# Altium PCB Dahlia Carrier Board.PcbDoc (part 4 of 10) (continued)
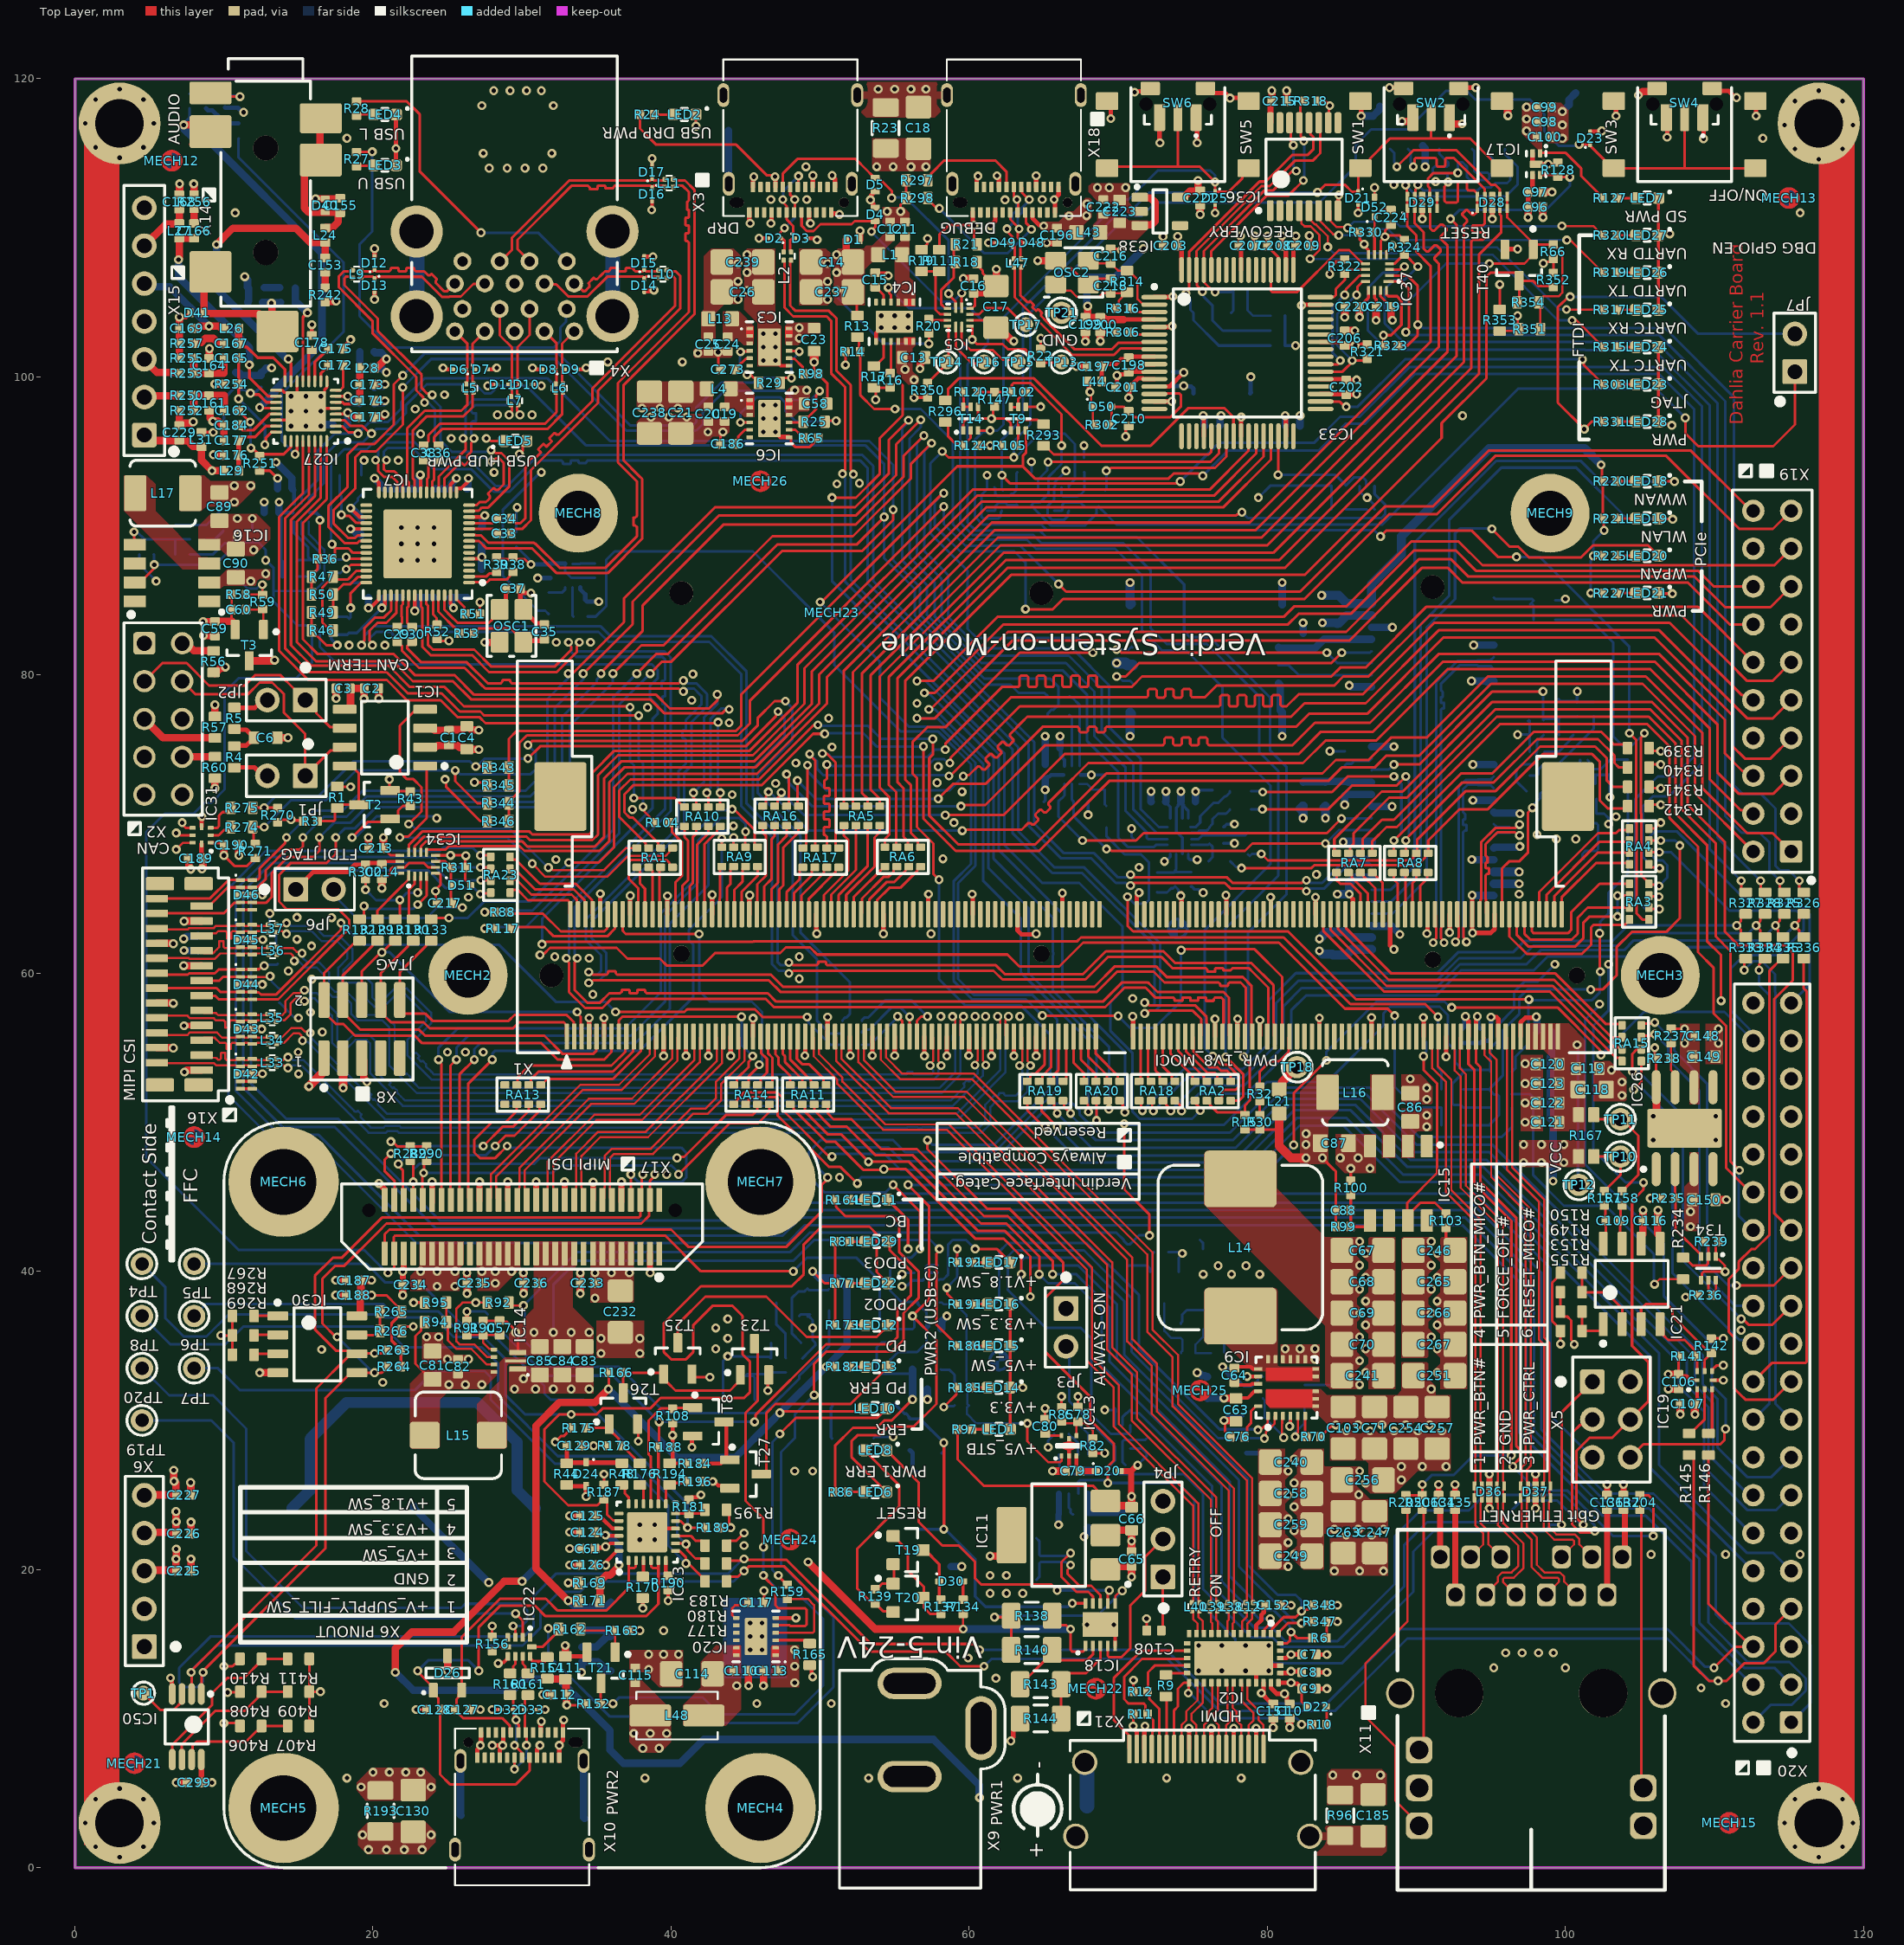
[diagram p0: Top Layer view]
## Nets (pads, with @x,y where several pads share a name; then routed paths per layer and width w, separated by ;. In a path a pad name is that pad's centre, name@x,y a point inside that pad or via, vN(x,y) a via of type N, cw(c..) or ccw(c..) an arc to the next point about the centre after c; other vN are vias at no path point) (continued)
AAP_MICIN_L: C158.2 L25.1 R249.1 | length 2.8
  Bottom Layer w0.175: L25.1@8.75,118.021 L25.1@8.79,118.021 ; C158.2@10.98,117 C158.2@11,116.98
  Bottom Layer w0.3: L25.1@8.79,118.021 8.93,117.881 9.219,117.881 9.745,117.355 9.745,117.135 R249.1@9.88,117 C158.2@10.98,117
ADC_1: RA23.5 X20.1 | length 165.6
  Top Layer w0.175: v1(27.2,65.3) 27.25,65.35 27.85,65.35 RA23.5@27.9,65.4
  Bottom Layer w0.175: v1(27.2,65.3) 26.8,65.7 24.9,65.7 23.7,66.9 13.3,66.9 11.806,65.406 11.806,52.594 14.173,50.227 17.673,50.227 24.5,43.4 47,43.4 48.2,44.6 93.7,44.6 98.4,39.9 98.4,29.372 102.687,25.086 105.914,25.086 110.1,20.9 110.1,17 110.728,16.372 114.994,16.372 116.44,14.927 116.44,11.03 X20.1@115.15,9.74
ADC_2: RA23.6 X20.2 | length 167.2
  Top Layer w0.175: v1(27.23,66.232) 27.245,66.216 27.884,66.216 RA23.6@27.9,66.2
  Bottom Layer w0.175: v1(27.23,66.232) 25.068,66.232 23.9,67.4 13.2,67.4 11.3,65.5 11.3,52.3 13.913,49.687 17.413,49.687 24.2,42.9 47.3,42.9 48.5,44.1 93.5,44.1 97.9,39.7 97.9,29.345 102.662,24.584 105.816,24.584 109.6,20.8 109.6,16.433 112.233,13.8 115.027,13.8 116.137,12.689 116.137,11.871 115.199,10.932 113.802,10.932 X20.2@112.61,9.74
ADC_3: RA23.7 X20.3 | length 162.2
  Top Layer w0.175: v1(27.2,67.1) 27.8,67.1 RA23.7@27.9,67
  Bottom Layer w0.175: v1(27.2,67.1) 24.827,67.1 24.127,67.8 13,67.8 10.8,65.6 10.8,52.1 13.756,49.144 16.356,49.144 23.1,42.4 47.5,42.4 48.7,43.6 93.3,43.6 97.385,39.515 97.385,29.315 102.6,24.1 105.6,24.1 109,20.7 109,16.4 112,13.4 114.03,13.4 X20.3@115.15,12.28
ADC_4: RA23.8 X20.4 | length 161
  Top Layer w0.175: v1(27.2,67.9) 27.219,67.919 27.781,67.919 RA23.8@27.9,67.8
  Bottom Layer w0.175: v1(27.2,67.9) 26.679,68.421 24.721,68.421 24.5,68.2 12.8,68.2 10.3,65.7 10.3,51.8 13.5,48.6 16.2,48.6 22.9,41.9 47.8,41.9 49,43.1 93.1,43.1 96.9,39.3 96.9,29.2 102.5,23.6 105.4,23.6 108.46,20.54 108.46,16.34 112.52,12.28 X20.4@112.61,12.28
CAM_1_CON_IC_DETECT: D46.2 D46.9 IC32.10 R285.2 X16.23 | length 107
  Top Layer w0.175: X16.23@8.5,64.5 9,64.5 10.25,65.75 D46.2@11.1,65.75 D46.9@11.9,65.75 11.938,65.787 12.287,65.787 12.8,66.3 12.8,66.9 14.2,68.3 15.1,68.3 15.3,68.5 v1(15.3,69.1) ; v1(34.107,80.088) 37.427,83.408 37.427,84.927 43.195,90.695 52.395,90.695 55.1,93.4 55.1,95.475 v1(56.75,97.125)
  Bottom Layer w0.175: v1(15.3,69.1) 16.7,70.5 18.225,70.5 19.6,71.875 30.575,71.875 32.2,73.5 32.2,77.8 34.107,79.707 v1(34.107,80.088) ; v1(56.75,97.125) 56.75,96.625 56,95.875 56,87.9 57.675,86.225 57.675,83.952 60.827,80.8 66.491,80.8 68.4,78.891 68.4,75.9 70.5,73.8 70.5,70.875 71.905,69.47 71.905,69.095 R285.2@72,69 IC32.10@73.3,69
CAM_1_CON_PWRCTRL: D46.1 D46.10 IC32.9 X16.24 | length 110.4
  Top Layer w0.175: X16.24@5.5,65 9.05,65 10.3,66.25 D46.1@11.1,66.25 D46.10@11.9,66.25 11.938,66.287 12.297,66.287 12.4,66.39 12.4,67.023 14.119,68.741 14.119,69.019 v1(14.2,69.1) ; v1(33.1,80.1) 33.392,80.1 36.844,83.552 36.844,85.144 42.95,91.25 52.35,91.25 54.6,93.5 54.6,95.759 v1(55.933,97.092)
  Bottom Layer w0.175: v1(14.2,69.1) 16,70.9 17.975,70.9 19.325,72.25 30.25,72.25 31.7,73.7 31.7,78.4 33.136,79.836 33.1,79.871 v1(33.1,80.1) ; v1(55.933,97.092) 55.933,96.977 55.5,96.544 55.5,87.7 57.175,86.025 57.175,84.025 60.9,80.3 66.3,80.3 67.9,78.7 67.9,75.6 70,73.5 70,69.109 70.657,68.453 72.383,68.453 72.531,68.6 IC32.9@73.3,68.6
CAM_1_CON_PWRDWN: D46.4 D46.7 IC32.11 X16.22 | length 108.2
  Top Layer w0.175: X16.22@5.5,64 5.523,64.023 7.659,64.023 7.669,64.012 9.987,64.012 10.694,64.719 11.069,64.719 D46.4@11.1,64.75 D46.7@11.9,64.75 11.938,64.712 12.812,64.712 13.2,65.1 13.2,66.7 14.3,67.8 16,67.8 16.4,68.2 v1(16.4,69.1) ; v1(35.3,80.1) 35.3,80.171 35.4,80.271 38.1,82.971 38.1,84.675 43.531,90.106 52.406,90.106 55.6,93.3 55.6,94.703 v1(56.961,96.064)
  Bottom Layer w0.175: v1(16.4,69.1) 17.4,70.1 18.5,70.1 19.875,71.475 30.775,71.475 32.7,73.4 32.7,77.2 35.024,79.524 35.024,79.709 35.3,79.985 v1(35.3,80.1) ; v1(56.961,96.064) 56.961,96.01 56.5,95.549 56.5,88.1 58.15,86.45 58.15,83.904 60.754,81.3 66.689,81.3 68.9,79.089 68.9,76.2 71,74.1 71,71 72.6,69.4 IC32.11@73.3,69.4
CAM_1_CON_RST: D44.5 D44.6 IC32.12 X16.11 | length 115.7
  Top Layer w0.175: X16.11@8.5,58.5 8.51,58.49 9.41,58.49 9.65,58.25 D44.5@11.1,58.25 D44.6@11.9,58.25 13.65,58.25 18.396,62.996 18.396,63.593 17.715,64.275 14.227,64.275 13.7,64.802 13.7,66.6 14.498,67.398 16.898,67.398 17.5,68 v1(17.5,69.1) ; v1(36.1,80.1) 38,82 39.5,82 46.805,89.305 52.205,89.305 56.1,93.2 56.1,94.175 v1(57.475,95.55)
  Bottom Layer w0.175: v1(17.5,69.1) 18.1,69.7 18.773,69.7 20.198,71.125 31.025,71.125 33.2,73.3 33.2,76.6 36.081,79.481 36.081,80.196 36.1,80.177 v1(36.1,80.1) ; v1(57.475,95.55) 57.475,95.51 57,95.035 57,88.3 58.6,86.7 58.6,83.881 60.681,81.8 66.9,81.8 69.4,79.3 69.4,76.5 71.5,74.4 71.5,71.025 72.725,69.8 IC32.12@73.3,69.8
CAM_1_IC_DETECT: IC32.3 R280.1 | length 4
  Bottom Layer w0.175: IC32.3@74.9,69 75.4,69 75.647,69.247 78.522,69.247 R280.1@78.7,69.425
CAM_1_PWRCTRL: IC32.4 R281.1 R284.1 | length 2.7
  Bottom Layer w0.175: IC32.4@74.9,68.6 76.02,68.6 R284.1@76.12,68.7 76.318,68.502 76.318,68.419 76.32,68.416 76.32,67.766 76.312,67.766 76.075,67.528 R281.1@76.075,67.5
CAM_1_PWRDWN: IC32.2 R279.1 R283.1 | length 3.5
  Bottom Layer w0.175: IC32.2@74.9,69.4 74.911,69.411 75.311,69.411 75.477,69.578 75.958,69.578 76.12,69.739 R283.1@76.12,69.8 76.318,69.998 76.318,70.087 76.32,70.09 76.32,70.32 76.7,70.7 77.237,70.7 77.475,70.938 R279.1@77.475,71
CAM_1_RST: IC32.1 R278.1 R282.1 | length 3.9
  Bottom Layer w0.175: IC32.1@74.85,69.8 74.862,69.813 75.213,69.813 75.5,70.1 75.5,70.52 76.4,71.42 76.72,71.42 77.162,71.863 77.237,71.863 77.475,72.1 R278.1@77.475,72.2
CAN_1_H: IC1.7 JP1.1 X2.4 | length 17.4
  Top Layer w0.175: X2.4@7.2,79.59 7.21,79.59 8.1,78.7 11.6,78.7 12.4,79.5 13.238,79.5 14.029,78.709 14.029,77.471 15.455,76.045 JP1.1@15.455,73.24 17.167,74.952 17.888,74.952 IC1.7@18.1,75.165
CAN_1_L: IC1.6 JP2.1 X2.3 | length 16.6
  Top Layer w0.175: X2.3@4.66,79.59 5.87,80.8 7.5,80.8 9,79.3 11.4,79.3 12.1,80 13.775,80 14.717,79.057 15.067,78.708 15.067,78.32 15.315,78.32 JP2.1@15.455,78.32 16.192,77.583 16.192,77.442 17.14,76.495 18.04,76.495 IC1.6@18.1,76.435
CAN_1_PWR_EN: R7.2 R8.2 R43.1 T2.1 | length 104.6
  Top Layer w0.175: v1(18.6,69.1) 19.637,70.138 20.638,70.138 20.643,70.143 20.843,70.143 20.945,70.245 21.045,70.245 T2.1@21.15,70.35 21.48,70.35 21.692,70.562 21.692,70.912 22,71.22 R43.1@22.5,71.22 ; v1(31.2,61.225) 31.281,61.306 31.481,61.306 31.875,61.7 36.35,61.7 37.075,60.975 39.25,60.975 39.725,60.5 42.1,60.5 42.95,61.35 47.325,61.35 47.7,61.725 49.325,61.725 49.8,61.25 62.566,61.25 63.366,60.45 66.05,60.45 67.65,62.05 80.777,62.05 85.206,57.621 88.079,57.621 v1(88.55,57.15)
  Layer 1 w0.175: v1@24.287,70.4 24.287,73.488 25.202,74.402 27.198,74.402 29.357,72.243 29.357,65.343 31.9,62.8 31.9,61.733 31.567,61.4 31.49,61.4 31.315,61.225 v1(31.2,61.225)
  Bottom Layer w0.175: v1(18.6,69.1) 18.681,69.181 18.9,69.181 20.233,70.514 24.045,70.514 24.16,70.4 v1(24.275,70.4) ; v1(88.55,57.15) 88.55,52.375 89.925,51 R7.2@91.675,51 R8.2@91.675,49.8
CAN_1_RX: IC1.4 RA1.5 | length 27.2
  Top Layer w0.15: v1(31.766,67.082) 31.888,67.082 32.057,66.913 35.513,66.913 37,68.4 RA1.5@37.7,68.4
  Top Layer w0.175: v1(22.4,70) 23.25,70.85 23.25,72.475 22.71,73.015 22.285,73.015 21.8,73.5 21.8,76.605 22.794,77.599 23.394,77.599 IC1.4@23.5,77.705
  Bottom Layer w0.15: v1(22.4,70) 22.487,70 22.5,70.013 22.813,69.7 29.148,69.7 v1(31.766,67.082)
CAN_1_TX: IC1.1 RA1.8 | length 26.2
  Top Layer w0.15: v1(30.686,67.349) 31.561,66.473 35.723,66.473 37.127,67.877 39.645,67.877 39.875,68.107 39.875,68.225 40.05,68.4 RA1.8@40.1,68.4
  Top Layer w0.175: v1(21.8,69.1) 21.862,69.163 22.362,69.163 23.6,70.4 23.6,73.795 IC1.1@23.5,73.895
  Bottom Layer w0.15: v1(21.8,69.1) 29,69.1 30.686,67.414 v1(30.686,67.349)
CAN_2_RX: RA1.7 X19.2 | length 99.8
  Top Layer w0.175: RA1.7@39.3,68.4 39.286,68.4 39.124,68.562 39.124,68.751 37.45,70.425 37.231,70.425 36.875,70.781 36.875,72 37.5,72.625 46.1,72.625 49.532,76.057 v1(50.306,76.057) ; v1(56.933,75.211) 56.933,70.367 59.1,68.2 64.7,68.2 69.4,72.9 84.1,72.9 85,73.8 87.2,73.8 88,74.6 90.2,74.6 95.014,79.414 105.186,79.414 108.7,75.9 108.7,72.07 X19.2@112.61,68.16
  Bottom Layer w0.175: v1(50.306,76.057) 50.349,76.1 52.9,76.1 53.789,75.211 v1(56.933,75.211)
CAN_2_TX: RA1.6 X19.1 | length 103.5
  Top Layer w0.175: RA1.6@38.5,68.4 38.45,68.4 38.288,68.562 38.288,68.713 36.525,70.475 36.525,72.25 37.271,72.996 45.921,72.996 49.575,76.65 v1(49.85,76.65) ; v1(57.557,75.711) 57.557,74.657 57.325,74.425 57.325,70.575 59.251,68.649 64.449,68.649 69.2,73.4 83.7,73.4 84.6,74.3 86.8,74.3 88.3,75.8 90.7,75.8 94.8,79.9 105.4,79.9 109.2,76.1 109.2,72.4 112.2,69.4 113.91,69.4 X19.1@115.15,68.16
  Bottom Layer w0.175: v1(49.85,76.65) 49.915,76.586 53.23,76.586 54.09,75.725 57.543,75.725 v1(57.557,75.711)
CSI_1_CLK_CON_N: D43.2 D43.9 L35.4 X16.8 | length 8.6
  Top Layer w0.144: X16.8@5.5,57 5.648,57.148 7.556,57.148 7.732,56.972 9.324,56.972 9.473,56.823 9.625,56.823 9.991,56.823 10.075,56.739 10.075,56.356 10.09,56.341 10.355,56.341 10.369,56.356 10.369,56.739 10.454,56.823 10.675,56.823 10.775,56.823 10.795,56.803 11.047,56.803 D43.2@11.1,56.75 11.288,56.75 11.361,56.823 11.64,56.823 11.713,56.75 D43.9@11.9,56.75 11.953,56.803 12.205,56.803 12.225,56.823 12.877,56.823 L35.4@12.95,56.75
CSI_1_CLK_CON_P: D43.1 D43.10 L35.3 X16.9 | length 4.7
  Top Layer w0.144: X16.9@8.5,57.5 8.674,57.326 9.471,57.326 9.62,57.177 9.775,57.177 10.6,57.177 10.775,57.177 10.795,57.197 11.047,57.197 D43.1@11.1,57.25 11.288,57.25 11.361,57.177 11.64,57.177 11.713,57.25 D43.10@11.9,57.25 11.953,57.197 12.205,57.197 12.225,57.177 12.877,57.177 L35.3@12.95,57.25
CSI_1_CLK_N: L35.1 X1.113 | length 58
  Top Layer w0.144: L35.1@13.5,56.75 13.573,56.823 14.047,56.823 14.479,57.255 14.479,57.978 14.81,58.309 15.09,58.309 15.277,58.123 v2(15.4,58.123) ; X1.113@61,55.75 60.927,55.677 60.927,54.144 61.113,53.958 v2(61.113,53.834)
  Bottom Layer w0.144: v2(15.4,58.123) 15.523,58.123 15.71,58.309 16.091,58.309 17.25,57.15 17.25,55.349 17.694,54.906 18.206,54.906 18.825,55.525 19.575,55.525 19.8,55.3 19.8,53.3 22,51.1 58.901,51.1 60.927,53.126 60.927,53.524 61.113,53.711 v2(61.113,53.834)
CSI_1_CLK_P: L35.2 X1.111 | length 58.1
  Top Layer w0.144: L35.2@13.5,57.25 13.573,57.177 13.9,57.177 14.125,57.402 14.125,58.125 14.663,58.663 15.09,58.663 15.277,58.85 v2(15.4,58.85) ; v2(60.387,53.836) 60.387,53.96 60.573,54.146 60.573,55.677 X1.111@60.5,55.75
  Bottom Layer w0.144: v2(15.4,58.85) 15.523,58.85 15.71,58.663 16.237,58.663 17.604,57.297 17.604,55.496 17.84,55.26 18.059,55.26 18.678,55.879 19.722,55.879 20.154,55.447 20.154,53.447 20.725,52.875 20.776,52.824 20.896,52.824 20.944,52.873 20.969,52.873 21.187,52.654 21.187,52.63 21.091,52.534 21.091,52.509 21.31,52.29 21.335,52.29 21.382,52.338 21.406,52.338 21.625,52.119 21.625,52.095 21.625,51.975 21.875,51.725 22.147,51.454 58.754,51.454 59.637,52.338 59.688,52.388 59.688,52.508 59.632,52.565 59.632,52.589 59.85,52.808 59.875,52.808 59.932,52.751 60.051,52.751 60.412,53.112 60.573,53.273 60.573,53.526 60.387,53.713 v2(60.387,53.836)
CSI_1_D0_CON_N: D42.2 D42.9 L33.4 X16.2 | length 7.7
  Top Layer w0.144: X16.2@5.5,54 5.528,53.972 9.324,53.972 9.473,53.823 10.775,53.823 10.795,53.803 11.047,53.803 D42.2@11.1,53.75 11.288,53.75 11.361,53.823 11.64,53.823 11.713,53.75 D42.9@11.9,53.75 11.953,53.803 12.205,53.803 12.225,53.823 12.902,53.823 L33.4@12.975,53.75
CSI_1_D0_CON_P: D42.1 D42.10 L33.3 X16.3 | length 5.6
  Top Layer w0.144: X16.3@8.5,54.5 8.674,54.326 9.471,54.326 9.525,54.272 9.597,54.2 9.716,54.2 9.801,54.284 9.801,54.644 9.815,54.659 10.08,54.659 10.095,54.644 10.095,54.261 10.179,54.177 10.675,54.177 10.725,54.177 10.775,54.177 10.795,54.197 11.047,54.197 D42.1@11.1,54.25 11.288,54.25 11.361,54.177 11.64,54.177 11.713,54.25 D42.10@11.9,54.25 11.953,54.197 12.205,54.197 12.225,54.177 12.902,54.177 L33.3@12.975,54.25
CSI_1_D0_N: L33.1 X1.125 | length 58.2
  Top Layer w0.144: L33.1@13.525,53.75 13.598,53.823 13.99,53.823 14.177,53.636 v2(14.3,53.636) ; X1.125@64,55.75 63.927,55.677 63.927,54.11 64.114,53.923 v2(64.114,53.8)
  Bottom Layer w0.144: v2(14.3,53.636) 14.423,53.636 14.61,53.823 15.177,53.823 18.5,50.5 19.704,49.296 20.863,49.296 20.968,49.401 21.632,49.401 21.737,49.296 55.99,49.296 55.993,49.299 56.407,49.299 56.41,49.296 56.99,49.296 56.993,49.299 57.407,49.299 57.41,49.296 60.822,49.296 61.425,49.899 61.425,51.025 61.821,51.421 63.271,51.421 63.927,52.077 63.927,53.49 64.114,53.677 v2(64.114,53.8)
CSI_1_D0_P: L33.2 X1.123 | length 58.1
  Top Layer w0.144: L33.2@13.525,54.25 13.598,54.177 13.99,54.177 14.177,54.363 v2(14.3,54.363) ; v2(63.387,53.8) 63.387,53.923 63.573,54.11 63.573,55.677 X1.123@63.5,55.75
  Bottom Layer w0.144: v2(14.3,54.363) 14.423,54.363 14.61,54.177 15.324,54.177 18.75,50.75 18.801,50.699 18.921,50.699 18.977,50.756 19.002,50.756 19.221,50.537 19.221,50.513 19.164,50.456 19.164,50.337 19.625,49.875 19.851,49.65 20.717,49.65 20.822,49.755 21.778,49.755 21.883,49.65 55.844,49.65 55.847,49.653 56.553,49.653 56.556,49.65 56.844,49.65 56.847,49.653 57.553,49.653 57.556,49.65 60.675,49.65 61.071,50.046 61.071,51.172 61.674,51.775 61.85,51.775 61.922,51.775 62.006,51.859 62.006,51.94 62.024,51.957 62.333,51.957 62.35,51.94 62.35,51.859 62.435,51.775 62.85,51.775 63.124,51.775 63.573,52.224 63.573,53.49 63.387,53.677 v2(63.387,53.8)
CSI_1_D1_CON_N: D43.5 D43.6 L34.4 X16.5 | length 5.5
  Top Layer w0.144: X16.5@8.5,55.5 8.668,55.668 9.382,55.668 9.725,55.325 9.727,55.323 10.091,55.323 10.175,55.239 10.175,54.927 10.19,54.913 10.455,54.913 10.469,54.927 10.469,55.239 10.554,55.323 10.75,55.323 10.775,55.323 10.795,55.303 11.047,55.303 D43.5@11.1,55.25 11.288,55.25 11.361,55.323 11.64,55.323 11.713,55.25 D43.6@11.9,55.25 11.953,55.303 12.205,55.303 12.225,55.323 12.902,55.323 L34.4@12.975,55.25
CSI_1_D1_CON_P: D43.4 D43.7 L34.3 X16.6 | length 7.9
  Top Layer w0.144: X16.6@5.5,56 5.648,55.852 7.556,55.852 7.732,56.028 9.523,56.028 9.625,55.926 9.874,55.677 10.625,55.677 10.775,55.677 10.795,55.697 11.047,55.697 D43.4@11.1,55.75 11.288,55.75 11.361,55.677 11.64,55.677 11.713,55.75 D43.7@11.9,55.75 11.953,55.697 12.205,55.697 12.225,55.677 12.902,55.677 L34.3@12.975,55.75
CSI_1_D1_N: L34.1 X1.119 | length 58.4
  Top Layer w0.144: L34.1@13.525,55.25 13.598,55.323 14.023,55.323 14.674,55.974 15.037,55.974 15.186,55.825 15.186,55.561 v2(15.274,55.474) ; X1.119@62.5,55.75 62.427,55.823 62.427,56.841 62.634,57.048 v2(62.634,57.1)
  Bottom Layer w0.144: v2(15.274,55.474) 15.361,55.386 15.625,55.386 15.711,55.3 16.99,54.021 20.811,50.2 59.275,50.2 62.448,53.373 62.448,56.79 62.634,56.977 v2(62.634,57.1)
CSI_1_D1_P: L34.2 X1.117 | length 58.4
  Top Layer w0.144: L34.2@13.525,55.75 13.598,55.677 13.876,55.677 14.527,56.328 15.184,56.328 15.437,56.075 15.7,56.075 v2(15.788,55.988) ; v2(61.907,57.1) 61.907,57.007 62.073,56.841 62.073,55.823 X1.117@62,55.75
  Bottom Layer w0.144: v2(15.788,55.988) 15.875,55.9 15.875,55.637 16.065,55.447 17.137,54.375 19.431,52.081 19.482,52.03 19.601,52.03 19.651,52.08 19.675,52.08 19.894,51.861 19.894,51.837 19.797,51.739 19.797,51.715 20.016,51.496 20.04,51.496 20.087,51.543 20.112,51.543 20.331,51.324 20.331,51.3 20.331,51.181 20.806,50.706 20.958,50.554 59.128,50.554 62.094,53.519 62.094,55.45 62.094,55.522 62.01,55.606 61.929,55.606 61.912,55.624 61.912,55.933 61.929,55.95 62.01,55.95 62.094,56.035 62.094,56.425 62.094,56.79 61.907,56.977 v2(61.907,57.1)
CSI_1_D2_CON_N: D45.5 D45.6 L36.4 X16.16 | length 7.8
  Top Layer w0.144: X16.16@5.5,61 5.524,61.024 7.627,61.024 7.679,60.972 9.398,60.972 9.749,61.323 10.775,61.323 10.795,61.303 11.047,61.303 D45.5@11.1,61.25 11.288,61.25 11.361,61.323 11.64,61.323 11.713,61.25 D45.6@11.9,61.25 11.953,61.303 12.205,61.303 12.225,61.323 12.671,61.323 12.927,61.323 L36.4@13,61.25
CSI_1_D2_CON_P: D45.4 D45.7 L36.3 X16.17 | length 5.7
  Top Layer w0.144: X16.17@8.5,61.5 8.674,61.326 9.251,61.326 9.525,61.6 9.681,61.756 9.681,62.144 9.696,62.159 9.961,62.159 9.975,62.144 9.975,61.761 10.06,61.677 10.625,61.677 10.675,61.677 10.775,61.677 10.795,61.697 11.047,61.697 D45.4@11.1,61.75 11.288,61.75 11.361,61.677 11.64,61.677 11.713,61.75 D45.7@11.9,61.75 11.953,61.697 12.205,61.697 12.225,61.677 12.524,61.677 12.927,61.677 L36.3@13,61.75
CSI_1_D2_N: L36.1 X1.107 | length 58.3
  Top Layer w0.144: L36.1@13.55,61.25 13.623,61.323 14.488,61.323 14.636,61.175 14.636,60.911 v2(14.724,60.824) ; X1.107@59.5,55.75 59.427,55.823 59.427,56.841 59.614,57.028 v2(59.614,57.09)
  Bottom Layer w0.144: v2(14.724,60.824) 14.792,60.755 15.055,60.755 15.434,60.377 16.223,60.377 16.7,59.899 16.7,59 17.3,58.4 18.099,58.4 18.546,57.953 18.546,57.254 18.954,56.846 20.604,56.846 21.1,56.35 21.1,53.8 22.95,51.95 58.15,51.95 59.429,53.229 59.429,56.482 59.427,56.484 59.427,56.78 59.614,56.967 v2(59.614,57.09)
CSI_1_D2_P: L36.2 X1.105 | length 58.3
  Top Layer w0.144: L36.2@13.55,61.75 13.623,61.677 14.635,61.677 14.887,61.425 15.15,61.425 v2(15.238,61.338) ; v2(58.887,57.09) 58.887,57.028 59.073,56.841 59.073,55.823 X1.105@59,55.75
  Bottom Layer w0.144: v2(15.238,61.338) 15.306,61.27 15.306,61.006 15.581,60.731 16.369,60.731 17.054,60.046 17.054,59.147 17.447,58.754 18.246,58.754 18.9,58.1 18.9,57.401 19.101,57.2 20.751,57.2 21.454,56.497 21.454,53.947 21.6,53.8 21.651,53.749 21.771,53.749 21.819,53.798 21.843,53.798 22.062,53.579 22.062,53.555 21.966,53.459 21.966,53.434 22.185,53.215 22.21,53.215 22.257,53.263 22.281,53.263 22.5,53.044 22.5,53.02 22.5,52.9 22.813,52.588 23.097,52.304 58.003,52.304 59.075,53.376 59.075,55.325 59.075,55.397 58.991,55.481 58.908,55.481 58.891,55.499 58.891,55.808 58.908,55.825 58.991,55.825 59.075,55.91 59.075,56.251 59.073,56.253 59.073,56.35 59.073,56.78 58.887,56.967 v2(58.887,57.09)
CSI_1_D3_CON_N: D45.2 D45.9 L37.4 X16.19 | length 5.6
  Top Layer w0.144: X16.19@8.5,62.5 8.674,62.674 9.425,62.674 9.471,62.674 9.62,62.823 9.75,62.823 10.116,62.823 10.2,62.739 10.2,62.336 10.215,62.321 10.48,62.321 10.494,62.336 10.494,62.739 10.579,62.823 10.7,62.823 10.725,62.823 10.775,62.823 10.795,62.803 11.047,62.803 D45.2@11.1,62.75 11.288,62.75 11.361,62.823 11.64,62.823 11.713,62.75 D45.9@11.9,62.75 11.953,62.803 12.205,62.803 12.225,62.823 12.902,62.823 L37.4@12.975,62.75
CSI_1_D3_CON_P: D45.1 D45.10 L37.3 X16.20 | length 7.8
  Top Layer w0.144: X16.20@5.5,63 5.575,62.925 7.565,62.925 7.668,63.028 9.324,63.028 9.473,63.177 10.775,63.177 10.795,63.197 11.047,63.197 D45.1@11.1,63.25 11.288,63.25 11.361,63.177 11.64,63.177 11.713,63.25 D45.10@11.9,63.25 11.953,63.197 12.205,63.197 12.225,63.177 12.902,63.177 L37.3@12.975,63.25
CSI_1_D3_N: L37.1 X1.101 | length 58.1
  Top Layer w0.144: L37.1@13.525,62.75 13.598,62.823 13.916,62.823 14.102,62.636 v2(14.2,62.636) ; X1.101@58,55.75 57.927,55.677 57.927,54.11 58.114,53.923 v2(58.114,53.8)
  Bottom Layer w0.144: v2(14.2,62.636) 14.323,62.636 14.51,62.823 15.877,62.823 16.55,62.15 17.6,62.15 18.275,61.475 18.275,60.976 17.671,60.372 17.671,59.753 18.074,59.35 19.396,59.35 19.596,59.15 19.596,58.228 20.078,57.746 20.721,57.746 21.6,58.625 22.125,58.625 23.546,57.204 23.546,56.772 22.3,55.526 22.3,54.5 23.954,52.846 56.3,52.846 57.62,52.846 57.927,53.153 57.927,53.49 58.114,53.677 v2(58.114,53.8)
CSI_1_D3_P: L37.2 X1.99 | length 58.1
  Top Layer w0.144: L37.2@13.525,63.25 13.598,63.177 13.916,63.177 14.102,63.363 v2(14.2,63.363) ; v2(57.387,53.8) 57.387,53.923 57.573,54.11 57.573,55.677 X1.99@57.5,55.75
  Bottom Layer w0.144: v2(14.2,63.363) 14.323,63.363 14.51,63.177 16.024,63.177 16.697,62.504 17.747,62.504 18.629,61.622 18.629,60.829 18.025,60.225 18.025,59.9 18.221,59.704 19.543,59.704 19.95,59.297 19.95,58.375 20.225,58.1 20.574,58.1 21.453,58.979 22.272,58.979 23.9,57.351 23.9,56.625 22.654,55.379 22.654,54.829 22.654,54.727 22.738,54.643 22.858,54.643 22.874,54.659 22.899,54.659 23.118,54.441 23.118,54.416 23.013,54.312 23.013,54.287 23.232,54.069 23.256,54.069 23.31,54.122 23.334,54.122 23.553,53.903 23.553,53.879 23.547,53.873 23.547,53.754 23.913,53.388 24.101,53.2 55.7,53.2 55.772,53.2 55.856,53.284 55.856,53.365 55.874,53.382 56.183,53.382 56.2,53.365 56.2,53.284 56.285,53.2 56.675,53.2 57.473,53.2 57.573,53.3 57.573,53.49 57.387,53.677 v2(57.387,53.8)
CSI_1_MCLK: D44.4 D44.7 RA22.8 X16.12 | length 52.1
  Top Layer w0.175: X16.12@5.5,59 9.5,59 9.75,58.75 D44.4@11.1,58.75 D44.7@11.9,58.75 11.938,58.712 12.343,58.712 12.481,58.575 13.51,58.575 17.859,62.924 17.859,63.356 v1(17.852,63.363) ; v1(36.279,57.399) 40.908,57.399 41.099,57.59 45.613,57.59 46.146,57.056 v1(49.131,57.056)
  Bottom Layer w0.175: v1(17.852,63.363) 19.301,61.914 28.444,61.914 32.297,58.061 35.617,58.061 v1(36.279,57.399) ; v1(49.131,57.056) 49.21,56.977 49.21,56.69 50.7,55.2 RA22.8@51.5,55.2
CTRL_FORCE_OFF_MOCI#: IC12.2 R73.1 R247.1 RA3.7 T9.3 X5.5 | length 255.8
  Top Layer w0.15: RA3.7@105.6,64.4 RA3.7@105.6,64.425
  Top Layer w0.175: v1(50,84.9) 50.1,84.9 59.2,94 63.6,94 ; v1(54.9,45.8) 56.7,44 v1(56.7,41.5) ; T9.3@63.8,96.41 63.8,94.9 63.6,94.7 63.6,94 ; v1(75.671,93.357) 75.556,93.357 75.388,93.525 73.725,93.525 73.385,93.186 64.415,93.186 63.6,94 ; RA3.7@105.6,64.425 105.714,64.31 106.29,64.31 v1(106.3,64.3)
  Bottom Layer w0.175: v1(50,84.9) 54.015,80.885 54.015,78.485 55.973,76.527 58.028,76.527 60.423,74.132 60.423,67.204 59.258,66.039 59.258,59.612 60.32,58.55 64.242,58.55 65.9,56.892 65.9,52.2 61.7,48 55.7,48 54.9,48.8 50.025,48.8 49.25,48.025 49.25,46.35 50.3,45.3 54.4,45.3 v1(54.9,45.8) 55.5,45.2 94,45.2 99,40.2 99,30.335 X5.5@101.815,27.52 ; R73.1@54.7,34.08 54.725,34.08 55.227,34.582 56.51,34.582 57.15,35.222 IC12.2@57.15,36.125 ; R247.1@56.52,37.855 57.15,37.225 IC12.2@57.15,36.407 ; R247.1@56.575,37.9 56.52,37.955 55.445,37.955 54.7,38.7 54.7,40.1 55.5,40.9 56.1,40.9 v1(56.7,41.5) ; v1(75.671,93.357) 77.365,95.05 83.45,95.05 85.25,96.85 86.55,96.85 89.9,100.2 106.275,100.2 108.64,97.835 108.64,74.54 107.3,73.2 106.2,73.2 104.7,71.7 104.7,65 105.4,64.3 v1(106.3,64.3) ; IC12.2@57.15,36.125 IC12.2@57.15,36.407 ; IC12.2@57.15,36.125 57.3,36.275 57.3,36.557 IC12.2@57.15,36.407
CTRL_PWR_BTN_MICO#: IC10.5 RA3.6 X5.4 | length 101.6
  Top Layer w0.15: RA3.6@105.6,65.2 105.647,65.153 106.248,65.153 v1(106.276,65.124)
  Top Layer w0.175: v1(101.2,23) 100.752,23.448 100.752,27.96 101.617,28.825 103.12,28.825 X5.4@104.355,30.06 105.55,31.255 105.55,33.925 104.475,35 104.475,44.725 105.241,45.491 v1(105.241,45.958)
  Layer 1 w0.15: v1(102.9,60.6) 102.9,61.748 v1(106.276,65.124)
  Bottom Layer w0.175: IC10.5@66.025,27.71 66.037,27.698 66.037,26.963 66.6,26.4 74.4,26.4 75.7,25.1 75.7,18.675 78.938,15.437 80.363,15.437 80.977,14.823 85.148,14.823 89.2,18.875 89.2,21.65 90.725,23.175 95.6,23.175 97.039,24.614 99.47,24.614 101.085,23 v1(101.2,23) ; v1(102.9,60.6) 102.9,57.5 101.877,56.477 101.877,48.127 104.046,45.958 v1(105.241,45.958)
CTRL_PWR_EN_MOCI: R7.1 R61.1 R89.1 R92.1 R101.1 R116.1 R126.2 R230.1 R291.2 RA4.5 | length 143
  Top Layer w0.15: R92.1@29.125,37.9 29.325,37.7 v1(30.1,37.7)
  Top Layer w0.175: v1(70.4,49.9) 70.4,45.5 72.1,43.8 v1(72.1,42.4) ; RA4.5@105.6,69.7 105.61,69.71 106.01,69.71 v1(106.4,70.1)
  Layer 1 w0.175: v1(99.3,60.6) 100.6,61.9 100.6,64.343 106.357,70.1 v1(106.4,70.1)
  Bottom Layer w0.175: R89.1@50.6,37.375 50.6,34.975 48.825,33.2 R126.2@48.8,33.2 48.609,33.009 48.609,32.809 46.3,30.5 39.6,30.5 36.5,33.6 31.9,33.6 30.2,35.3 30.2,37.385 30.181,37.404 30.181,37.619 v1(30.1,37.7) 33.7,41.3 48,41.3 49.3,42.6 69.875,42.6 70.363,42.112 70.363,42.062 70.6,41.825 70.8,41.825 71.038,42.062 71.4,42.425 72.075,42.425 v1(72.1,42.4) ; v1(70.4,49.9) 70.475,49.825 77.1,49.825 79.987,52.713 84.037,52.713 87.8,56.475 87.8,57.3 88.25,57.75 91.565,57.75 92.125,57.19 R101.1@92.125,55.4 92.125,55.3 92.625,54.8 92.625,54 93.125,53.5 R61.1@93.125,53.4 ; R291.2@94.975,51 R7.1@93.125,51 92.978,51.147 92.528,51.147 92.425,51.25 92.425,52.6 93.125,53.3 R61.1@93.125,53.4 ; R230.1@94.975,53.4 R230.1@94.975,53.5 ; v1(99.3,60.6) 98.125,59.425 97.25,59.425 96.55,58.725 96.55,57.6 95.5,56.55 95.5,55.5 94.975,54.975 R230.1@94.975,53.5 ; R61.1@93.125,53.4 93.175,53.45 93.225,53.5 R230.1@94.975,53.5
CTRL_RECOVERY_MICO#: D25.1 RA3.8 SW5.3 SW5.4 SW6.2 T14.3 | length 116
  Top Layer w0.175: T14.3@60.6,96.41 60.61,96.4 v1(61.4,96.4) ; SW5.4@69.25,114 69.35,114 69.45,114.1 74,114.1 ; SW6.2@74,117.4 74,114.1 ; SW5.3@78.75,114 78.75,113.9 78.338,113.487 78.338,113.338 77.42,112.42 D25.1@76.5,112.42 v1(76.5,113.075) 75.475,114.1 74,114.1 ; v1(87.6,89.3) 88,89.7 93.7,89.7 95.475,87.925 v1(96.725,87.925) ; v1(104.3,76.1) 104.76,75.64 104.76,70.125 104.787,70.098 104.787,63.988 105.175,63.6 RA3.8@105.6,63.6
  Bottom Layer w0.175: v1(76.5,113.075) 76.502,113.077 76.502,113.523 76.175,113.85 72.65,113.85 70.7,111.9 70.2,111.9 62.3,104 62.3,96.8 61.9,96.4 v1(61.4,96.4) 61.319,96.319 60.919,96.319 60.4,95.8 60.4,90.612 60.927,90.085 64.865,90.085 65.227,89.723 87.177,89.723 v1(87.6,89.3) ; v1(96.725,87.925) 98.275,87.925 104.3,81.9 v1(104.3,76.1)
CTRL_RESET_MICO#: D21.1 RA4.8 SW1.3 SW1.4 SW2.2 T10.3 X5.6 | length 192.4
  Top Layer w0.175: v1(62.2,93.4) 62.761,92.839 73.905,92.839 74.049,92.983 v1(74.164,92.983) ; v1(83.375,112.375) 83.9,112.9 85.2,112.9 85.68,112.42 D21.1@86.1,112.42 86.1,113.488 86.35,113.738 86.35,113.9 SW1.4@86.25,114 86.397,114 86.909,114.512 86.909,114.659 88.25,116 91,116 ; SW2.2@91,117.4 91,116 ; SW1.3@95.75,114 95.601,114 95.087,114.514 95.087,114.516 93.603,116 91,116 ; X5.6@104.355,27.52 105.235,28.4 110.4,28.4 110.669,28.669 110.669,29.344 v1(110.75,29.425) ; RA4.8@105.6,67.3 105.6,67.25 105.762,67.088 106.277,67.088 v1(106.327,67.037)
  Layer 1 w0.175: v1(102.3,57.923) 102.3,59.2 101.7,59.8 101.7,64.5 104.237,67.037 v1(106.327,67.037)
  Bottom Layer w0.175: T10.3@62.2,92.455 T10.3@62.275,92.38 ; T10.3@62.2,92.59 v1(62.2,93.4) 62.2,95.8 63.6,97.2 63.6,104.6 70.3,111.3 71.02,111.3 72.095,112.375 v1(83.375,112.375) ; v1(74.164,92.983) 76.756,95.575 83.137,95.575 84.887,97.325 86.2,97.325 89.525,100.65 106.55,100.65 109.15,98.05 109.15,74.05 106.95,71.85 105.85,71.85 105.2,71.2 105.2,67.8 105.923,67.077 106.287,67.077 v1(106.327,67.037) ; v1(102.3,57.923) 102.3,57.85 101.325,56.875 101.325,47.175 106.6,41.9 106.6,38.35 109.825,35.125 109.825,32.375 110.75,31.45 v1(110.75,29.425)
CTRL_RESET_MOCI#: D19.C IC12.1 LED6.K R72.1 RA4.7 X17.57 X20.38 | length 225.4
  Top Layer w0.175: v1(21,39.9) 21.082,39.9 21.422,40.24 21.422,41.194 X17.57@21.428,41.2 ; X17.57@21.4,41.2 21.4,42.3 21.5,42.4 39.6,42.4 42,40 v1(48.2,40) ; LED6.K@54.45,25.2 52.1,27.55 52.1,28.6 52.5,29 54,29 54.6,29.6 56.3,29.6 57.8,31.1 57.8,35.4 v1(56.2,37) 57.3,38.1 57.3,44.385 55.9,45.785 v1(55.9,45.8) ; v1(81.775,48.475) 81.775,51.95 v1(83.975,54.15) ; v1(92.375,57.7) 99.475,57.7 102.31,54.865 102.31,54.587 v1(102.391,54.506) ; RA4.7@105.6,68.1 105.612,68.112 v1(106.299,68.112)
  Bottom Layer w0.175: D19.C@15.9,82.64 15.9,80.84 14.86,79.8 11,79.8 10.05,78.85 10.05,72.322 9.166,71.439 8.704,71.439 7.965,70.7 6.025,70.7 4.8,69.475 4.8,47.625 11,41.425 19.419,41.425 20.944,39.9 v1(21,39.9) ; v1(48.2,40) 49.1,40.9 52.455,40.9 54,39.355 54,36.855 54.675,36.18 R72.1@54.7,36.18 54.755,36.125 IC12.1@56.2,36.125 56.319,36.244 56.319,36.919 56.237,37 v1(56.2,37) ; v1(55.9,45.8) 55.919,45.819 56.196,45.819 56.215,45.8 79.1,45.8 v1(81.775,48.475) ; v1(83.975,54.15) 83.975,54.728 87.347,58.1 91.884,58.1 92.284,57.7 v1(92.375,57.7) ; v1(102.391,54.506) 105.285,57.4 110.67,57.4 X20.38@112.356,55.714 ; v1(106.299,68.112) 107.088,68.112 111,64.2 115.5,64.2 116,63.7 116,62.9 114.3,61.2 112,61.2 111.1,60.3 111.1,57.5 112.356,56.244 X20.38@112.356,55.714 ; X20.38@112.61,55.46 X20.38@112.356,55.714